# KiCad board data-center-rdimm-ddr5-tester.kicad_pcb (continued)
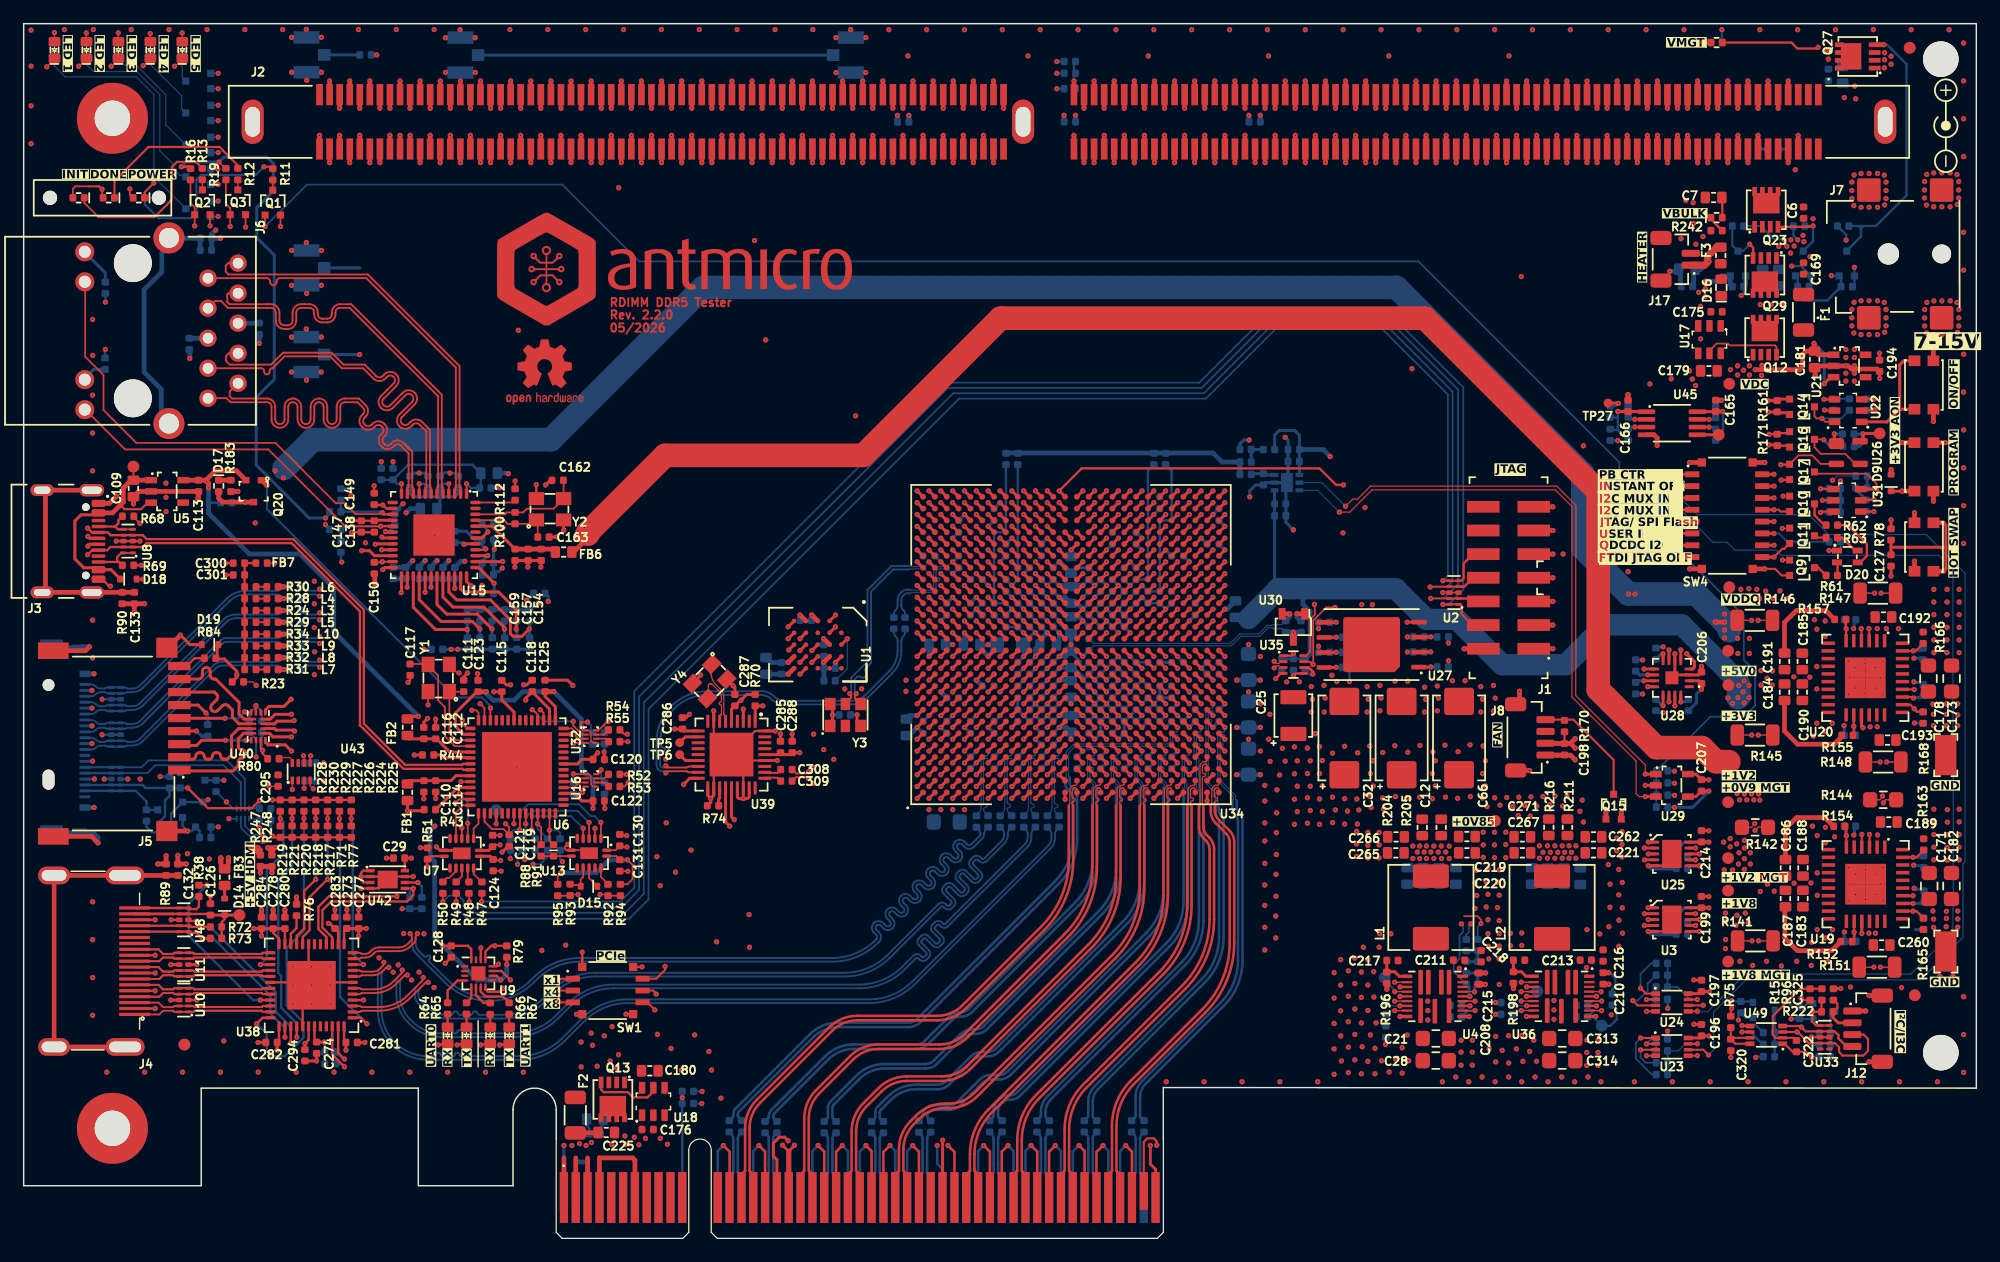
[diagram p0: board, top side]
## Footprints (pads in the part's own frame, mm; a bottom-side part is the same pattern mirrored in y, then rotated) (continued)
PinHeader_2x7_P2mm_SMD_Shrouded_no-locator
  rect 1x2.75 smd: 1(-6,-2.128) 2(-6,2.13) 3(-4,-2.128) 4(-4,2.13) 5(-2,-2.128) 6(-2,2.13) 7(0,-2.128) 8(0,2.13) 9(1.999,-2.128) 10(1.999,2.13) 11(3.999,-2.128) 12(3.999,2.13) 13(5.998,-2.128) 14(5.998,2.13)
QFN-2L_1.6x1x0.55mm
  rrect 0.8x1 smd: 1(-0.7,0) 2(0.7,0)
QFN-36-1EP_6x6mm_P0.5mm_EP3.7x3.7mm
  rect 1.1x0.26 smd: 1(-2.815,2) 2(-2.815,1.5) 3(-2.815,1) 4(-2.815,0.5) 5(-2.815,0) 6(-2.815,-0.5) 7(-2.815,-1) 8(-2.815,-1.5) 9(-2.815,-2) 19(2.815,-2) 20(2.815,-1.5) 21(2.815,-1) 22(2.815,-0.5) 23(2.815,0) 24(2.815,0.5) 25(2.815,1) 26(2.815,1.5) 27(2.815,2)
  rect 0.26x1.1 smd: 10(-2,-2.815) 11(-1.5,-2.815) 12(-1,-2.815) 13(-0.5,-2.815) 14(0,-2.815) 15(0.5,-2.815) 16(1,-2.815) 17(1.5,-2.815) 18(2,-2.815) 28(2,2.815) 29(1.5,2.815) 30(1,2.815) 31(0.5,2.815) 32(0,2.815) 33(-0.5,2.815) 34(-1,2.815) 35(-1.5,2.815) 36(-2,2.815)
  rect 3.7x3.7 smd: 37(0,0)
QFN-48-1EP_7x7x0.9mm_P0.5mm_EP3.5x3.5mm
  oval 0.9x0.3 smd: 1(-3.5,2.75) 2(-3.5,2.25) 3(-3.5,1.75) 4(-3.5,1.25) 5(-3.5,0.75) 6(-3.5,0.25) 7(-3.5,-0.248) 8(-3.5,-0.748) 9(-3.5,-1.249) 10(-3.5,-1.749) 11(-3.5,-2.249) 12(-3.5,-2.749) 25(3.499,-2.749) 26(3.499,-2.249) 27(3.499,-1.749) 28(3.499,-1.249) 29(3.499,-0.748) 30(3.499,-0.248) 31(3.499,0.25) 32(3.499,0.75) 33(3.499,1.25) 34(3.499,1.75) 35(3.499,2.25) 36(3.499,2.75)
  oval 0.3x0.9 smd: 13(-2.75,-3.499) 14(-2.25,-3.499) 15(-1.75,-3.499) 16(-1.25,-3.499) 17(-0.75,-3.499) 18(-0.25,-3.499) 19(0.248,-3.499) 20(0.748,-3.499) 21(1.249,-3.499) 22(1.749,-3.499) 23(2.249,-3.499) 24(2.749,-3.499) 37(2.749,3.5) 38(2.249,3.5) 39(1.749,3.5) 40(1.249,3.5) 41(0.748,3.5) 42(0.248,3.5) 43(-0.25,3.5) 44(-0.75,3.5) 45(-1.25,3.5) 46(-1.75,3.5) 47(-2.25,3.5) 48(-2.75,3.5)
  rect 3.5x3.5 smd: 49(0,0)
QFN-56-1EP_8x8mm_P0.5mm
  rrect 1.13x1.13 smd: (-2.101,2.101) (-2.101,0.7) (-2.101,-0.699) (-2.101,-2.1) (-0.7,2.101) (-0.7,0.7) (-0.7,-0.699) (-0.7,-2.1) (0.699,2.101) (0.699,0.7) (0.699,-0.699) (0.699,-2.1) (2.1,2.101) (2.1,0.7) (2.1,-0.699) (2.1,-2.1)
  rrect 0.875x0.3 smd: 1(-3.938,3.25) 2(-3.938,2.75) 3(-3.938,2.25) 4(-3.938,1.75) 5(-3.938,1.25) 6(-3.938,0.75) 7(-3.938,0.25) 8(-3.938,-0.249) 9(-3.938,-0.749) 10(-3.938,-1.249) 11(-3.938,-1.749) 12(-3.938,-2.249) 13(-3.938,-2.749) 14(-3.938,-3.249) 29(3.937,-3.249) 30(3.937,-2.749) 31(3.937,-2.249) 32(3.937,-1.749) 33(3.937,-1.249) 34(3.937,-0.749) 35(3.937,-0.249) 36(3.937,0.25) 37(3.937,0.75) 38(3.937,1.25) 39(3.937,1.75) 40(3.937,2.25) 41(3.937,2.75) 42(3.937,3.25)
  rrect 0.3x0.875 smd: 15(-3.25,-3.937) 16(-2.75,-3.937) 17(-2.25,-3.937) 18(-1.75,-3.937) 19(-1.25,-3.937) 20(-0.75,-3.937) 21(-0.25,-3.937) 22(0.249,-3.937) 23(0.749,-3.937) 24(1.249,-3.937) 25(1.749,-3.937) 26(2.249,-3.937) 27(2.749,-3.937) 28(3.249,-3.937) 43(3.249,3.938) 44(2.749,3.938) 45(2.249,3.938) 46(1.749,3.938) 47(1.249,3.938) 48(0.749,3.938) 49(0.249,3.938) 50(-0.25,3.938) 51(-0.75,3.938) 52(-1.25,3.938) 53(-1.75,3.938) 54(-2.25,3.938) 55(-2.75,3.938) 56(-3.25,3.938)
  rect 5.9x5.9 smd: 57(0,0)
R_0402_1005Metric
  rrect 0.59x0.64 smd: 1(-0.48,0) 2(0.48,0)
R_0402_1005Metric_EIA
  rrect 0.6x0.6 smd: 1(-0.5,0) 2(0.499,0)
R_0603_1608Metric
  rrect 0.8x1 smd: 1(-0.7,0) 2(0.7,0)
R_0805_2012Metric
  rrect 1.2x1.3 smd: 1(-1.1,0) 2(1.1,0)
R_1206_3216Metric
  rrect 1.15x1.8 smd: 1(-1.5,-0.001) 2(1.5,-0.001)
Resonator_SMD_Abracon_ABM8G_3.2x2.5mm
  rrect 1.3x1.1 smd: 1(-1.101,-0.949)
  rect 1.3x1.1 smd: 2(1.199,-0.949) 3(1.199,0.85) 4(-1.101,0.85)
RJ45_ARJM11B1-502-AB-EW2_Horizontal
  round 3.2 hole 3.25 unplated: (0,-8.89) (11.43,-8.89)
  round 1.458 hole 0.9: 1(0,0) 2(1.27,-2.54) 3(2.54,0) 4(3.81,-2.54) 5(5.08,0) 6(6.35,-2.54) 7(7.62,0) 8(8.89,-2.54) 9(10.16,0) 10(11.43,-2.54)
  round 1.605 hole 1.02: 11(-0.96,-12.95) 12(1.58,-12.95) 13(9.85,-12.95) 14(12.39,-12.95)
  round 2.625 hole 1.7: SH(-2.135,-5.84) SH(13.565,-5.84)
SC70-3
  rect 0.6x0.6 smd: 1(-1.051,0.65) 2(-1.051,-0.65) 3(1.05,0)
SOD-523
  rrect 0.5x0.6 smd: 1(-0.701,0) 2(0.699,0)
SOT1161-2
  rrect 0.9x0.22 smd: 1(-0.6,0.6) 2(-0.625,0.202) 3(-0.625,-0.2) 4(-0.625,-0.598) 9(0.623,-0.598) 10(0.623,-0.2) 11(0.623,0.202) 12(0.623,0.6)
  rrect 0.22x0.55 smd: 5(-0.6,-1.175) 6(-0.202,-1.175) 7(0.2,-1.175) 8(0.598,-1.175) 13(0.598,1.176) 14(0.2,1.176) 15(-0.202,1.176) 16(-0.6,1.176)
SOT-23-3
  rrect 1x0.6 smd: 1(-1.1,0.951) 2(-1.1,-0.949) 3(1.1,0.001)
SOT-23-5
  rect 1x0.55 smd: 1(-1.351,0.951) 2(-1.351,0) 3(-1.351,-0.949) 4(1.35,-0.949) 5(1.35,0.951)
SOT-23-6
  rrect 0.55x1 smd: 1(-0.954,-1.1) 2(-0.003,-1.1) 3(0.947,-1.1) 4(0.947,1.214) 5(-0.003,1.214) 6(-0.954,1.214)
SOT-143-4
  rrect 0.94x1.31 smd: 1(-0.76,-0.998)
  rrect 0.55x1.31 smd: 2(0.959,-0.998) 3(0.959,1) 4(-0.96,1)
SOT-323
  rect 0.55x0.6 smd: 1(-0.927,0.652) 2(-0.927,-0.65) 3(0.925,0)
SOT-583
  rrect 0.67x0.3 smd: 1(-0.739,0.75) 2(-0.739,0.251) 3(-0.739,-0.249) 4(-0.739,-0.75) 5(0.74,-0.75) 6(0.74,-0.249) 7(0.74,0.251) 8(0.74,0.75)
SW_DIP_SPSTx03_Slide_Copal_CVS-03xB_W5.9mm_P1mm
  rect 1.2x0.5 smd: 1(-2.899,1) 2(-2.899,0) 3(-2.899,-0.997) 4(2.999,-0.997) 5(2.999,0) 6(2.999,1)
  rect 0.7x0.7 smd: 7(-2.101,2) 7(-2.101,-1.999) 7(2.201,2) 7(2.201,-1.999)
SW_DIP_SPSTx08_Slide_Copal_CVS-08xB_W5.9mm_P1mm
  rect 1.2x0.5 smd: 1(-2.952,3.5) 2(-2.952,2.5) 3(-2.952,1.5) 4(-2.952,0.5) 5(-2.952,-0.498) 6(-2.952,-1.499) 7(-2.952,-2.499) 8(-2.952,-3.499) 9(2.95,-3.499) 10(2.95,-2.499) 11(2.95,-1.499) 12(2.95,-0.498) 13(2.95,0.5) 14(2.95,1.5) 15(2.95,2.5) 16(2.95,3.5)
  rect 0.7x0.7 smd: 17(-2.15,4.5) 17(-2.15,-4.498) 17(2.148,4.5) 17(2.148,-4.498)
SW_KMR211NGLFS_SMD
  rect 0.9x1 smd: 1(-2.048,0.8) 2(2.05,0.8) 3(-2.048,-0.802) 4(2.05,-0.802)
TP_1206_SMD_RCW-0C
  rect 3.4x1.8 smd: 1(0,0)
TP_SMD_0.75mm
  round 0.75 smd: 1(0,0)
TP_SMD_1mm
  round 1 smd: 1(0,0)
TQFN-25_4x5mm
  rrect 2.1x0.4 smd: 1(-1.2,1.195) 2(-1.2,0.545) 3(-1.2,-0.555) 4(-1.2,-1.205) 14(1.2,-1.205) 15(1.25,-0.005) 16(1.2,1.195)
  rrect 0.3x0.9 smd: 5(-1.7,-2.355) 13(1.7,-2.355) 17(1.7,2.345) 25(-1.7,2.345)
  rrect 0.2x0.9 smd: 6(-1.2,-2.355) 7(-0.8,-2.355) 8(-0.4,-2.355) 9(0,-2.355) 10(0.4,-2.355) 11(0.8,-2.355) 12(1.2,-2.355) 18(1.2,2.345) 19(0.8,2.345) 20(0.4,2.345) 21(0,2.345) 22(-0.4,2.345) 23(-0.8,2.345) 24(-1.2,2.345)
TSSOP-8_3x3mm_P0.65mm
  rrect 1.47x0.4 smd: 1(-2.148,0.962) 2(-2.148,0.313) 3(-2.148,-0.338) 4(-2.148,-0.987) 5(2.151,-0.987) 6(2.151,-0.338) 7(2.151,0.313) 8(2.151,0.962)
USB-C_Receptacle_GCT_USB4105-GF-A
  round 0.65 hole 0.65 unplated: (-2.891,2.426) (2.89,2.426)
  rrect 0.6x1.15 smd: A1(-3.202,3.5) A4(-2.4,3.5) A9(2.398,3.5) A12(3.2,3.5) B1(3.2,3.5) B4(2.398,3.5) B9(-2.4,3.5) B12(-3.202,3.5)
  rrect 0.3x1.15 smd: A5(-1.25,3.5) A6(-0.25,3.5) A7(0.248,3.5) A8(1.249,3.5) B5(1.749,3.5) B6(0.748,3.5) B7(-0.75,3.5) B8(-1.75,3.5)
  oval 1.05x2.1 hole 0.6x1.7: SH(-4.321,2.926) SH(4.32,2.926)
  oval 1x2 hole 0.6x1.4: SH(-4.321,-1.255) SH(4.32,-1.255)
USON-10_2.5x1mm_P0.5mm
  rrect 0.55x0.25 smd: 1(-0.387,1) 2(-0.387,0.5) 4(-0.387,-0.498) 5(-0.387,-0.998) 6(0.385,-0.998) 7(0.385,-0.498) 9(0.385,0.5) 10(0.385,1)
  rrect 0.55x0.4 smd: 3(-0.387,0) 8(0.385,0)
Vishay_PowerPAK_1212-8_Single
  rect 0.99x0.405 smd: 1(-1.436,0.99) 2(-1.436,0.332) 3(-1.436,-0.33) 4(-1.436,-0.988)
  custom 2.235x2.39 smd: 5(0.557,0)
VQFN-16-1EP_3x3mm_P0.5mm_EP1.1x1.1mm
  rrect 0.89x0.89 smd: (0,0)
  rrect 0.775x0.25 smd: 1(-1.464,0.75) 2(-1.464,0.25) 3(-1.464,-0.247) 4(-1.464,-0.747) 9(1.461,-0.747) 10(1.461,-0.247) 11(1.461,0.25) 12(1.461,0.75)
  rrect 0.25x0.775 smd: 5(-0.75,-1.461) 6(-0.25,-1.461) 7(0.247,-1.461) 8(0.747,-1.461) 13(0.747,1.464) 14(0.247,1.464) 15(-0.25,1.464) 16(-0.75,1.464)
  rect 1.1x1.1 smd: 17(0,0)
VQFN-48_7x7mm_P0.5mm_EP4.1x4.1mm
  rrect 0.85x0.28 smd: 1(-3.475,2.75) 2(-3.475,2.25) 3(-3.475,1.75) 4(-3.475,1.25) 5(-3.475,0.75) 6(-3.475,0.25) 7(-3.475,-0.25) 8(-3.475,-0.75) 9(-3.475,-1.25) 10(-3.475,-1.75) 11(-3.475,-2.25) 12(-3.475,-2.75) 25(3.475,-2.75) 26(3.475,-2.25) 27(3.475,-1.75) 28(3.475,-1.25) 29(3.475,-0.75) 30(3.475,-0.25) 31(3.475,0.25) 32(3.475,0.75) 33(3.475,1.25) 34(3.475,1.75) 35(3.475,2.25) 36(3.475,2.75)
  rrect 0.28x0.85 smd: 13(-2.75,-3.475) 14(-2.25,-3.475) 15(-1.75,-3.475) 16(-1.25,-3.475) 17(-0.75,-3.475) 18(-0.25,-3.475) 19(0.25,-3.475) 20(0.75,-3.475) 21(1.25,-3.475) 22(1.75,-3.475) 23(2.25,-3.475) 24(2.75,-3.475) 37(2.75,3.475) 38(2.25,3.475) 39(1.75,3.475) 40(1.25,3.475) 41(0.75,3.475) 42(0.25,3.475) 43(-0.25,3.475) 44(-0.75,3.475) 45(-1.25,3.475) 46(-1.75,3.475) 47(-2.25,3.475) 48(-2.75,3.475)
  rrect 4.1x4.1 smd: 49(0,0)
VSSOP-8_2.3x2mm_P0.5mm
  rect 0.75x0.4 smd: 1(-1.372,0.742) 4(-1.372,-0.757) 5(1.377,-0.757) 8(1.377,0.742)
  rect 0.75x0.3 smd: 2(-1.372,0.244) 3(-1.372,-0.256) 6(1.377,-0.256) 7(1.377,0.244)
WSON-8_2x2mm
  rect 0.8x0.25 smd: 1(-0.8,0.75)
  rect 0.7x0.25 smd: 2(-0.85,0.25) 3(-0.85,-0.25) 4(-0.85,-0.75) 5(0.85,-0.75) 6(0.85,-0.25) 7(0.85,0.25) 8(0.85,0.75)
WSON-8_6x8x0.5mm_P1.27mm
  rrect 1.3x0.4 smd: 1(-3.999,1.905) 2(-3.999,0.635) 3(-3.999,-0.634) 4(-3.999,-1.905) 5(3.999,-1.875) 6(3.999,-0.604) 7(3.999,0.665) 8(3.999,1.935)
  rrect 4.8x4.65 smd: 9(-0.001,0.001)
X1QFN-16-1EP_2.5x2.5mm
  rrect 0.6x0.2 smd: 1(-1.151,0.6) 2(-1.151,0.203) 3(-1.151,-0.2) 4(-1.151,-0.597) 9(1.148,-0.597) 10(1.148,-0.2) 11(1.148,0.203) 12(1.148,0.6)
  rrect 0.2x0.6 smd: 5(-0.6,-1.148) 6(-0.203,-1.148) 7(0.2,-1.148) 8(0.597,-1.148) 13(0.597,1.151) 14(0.2,1.151) 15(-0.203,1.151) 16(-0.6,1.151)
  rrect 1.2x1.2 smd: 17(0,0)
X2SON8_1.4x1x0.32mm_P0.35mm
  rect 0.5x0.17 smd: 1(-0.43,0.526) 2(-0.43,0.175) 3(-0.43,-0.175) 4(-0.43,-0.526) 5(0.43,-0.526) 6(0.43,-0.175) 7(0.43,0.175) 8(0.43,0.526)

## Nets
+0V9_MGTAVCC: C63.1 C98.2 C99.2 C100.2 C101.2 C102.1 C168.2 NT11.2 R144.2 TP15.1 U34.AA7 U34.AC7 U34.J7 U34.L7 U34.N7 U34.W7
+0V85: C12.1 C13.2 C19.2 C25.1 C26.2 C32.1 C33.2 C34.2 C35.2 C36.2 C38.2 C39.2 C40.2 C41.2 C42.2 C43.2 C45.2 C46.2 C47.2 C48.2 C50.2 C51.2 C52.2 C53.2 C54.2 C55.2 C56.2 C57.2 C58.2 C59.2 C61.2 C62.1 C64.2 C65.2 C66.1 C67.2 C75.2 C79.2 C84.2 C86.2 C88.2 C90.2 C92.2 C239.1 C240.2 C241.2 C242.2 C243.2 C246.2 C247.2 C248.2 R37.1 R204.2 R205.2 R211.2 R216.2 TP17.1 TP24.2 U34.K11 U34.K13 U34.K15 U34.K17 U34.L9 U34.L10 U34.L12 U34.L14 U34.L16 U34.M9 U34.M11 U34.M13 U34.M15 U34.M17 U34.N9 U34.N10 U34.N12 U34.N16 U34.P9 U34.P11 U34.P15 U34.P17 U34.R9 U34.R10 U34.R12 U34.R16 U34.T9 U34.T11 U34.T15 U34.T17 U34.U9 U34.U10 U34.U12 U34.U14 U34.U16 U34.V9 U34.V11 U34.V13 U34.V15 U34.V17
+1V2: C139.1 C142.1 C145.1 C148.1 C149.1 C150.1 C151.1 C153.1 C156.1 FB4.1 FB6.1 NT16.2 R148.2 R248.2 TP11.1 U15.14 U15.18 U15.23 U15.26 U15.30 U15.39
+1V2_MGTAVTT: C14.1 C70.2 C72.1 C80.2 C83.2 C103.1 C104.2 C105.2 C106.2 C107.2 C108.2 C167.2 C310.2 C311.2 C312.2 NT10.2 R36.2 R142.2 TP14.1 U34.A7 U34.AB5 U34.AD8 U34.AE7 U34.C7 U34.E7 U34.F5 U34.G7 U34.H5 U34.K5 U34.M5 U34.P5 U34.T5 U34.V5 U34.Y5
+1V8: C1.1 C2.1 C3.1 C4.1 C5.1 C11.1 C15.2 C18.2 C27.2 C30.2 C68.2 C73.1 C76.2 C77.2 C81.2 C85.1 C87.2 C89.2 C91.2 C124.2 C134.1 C138.1 C141.1 C144.1 C147.1 C160.2 C161.2 C204.2 C296.2 C298.2 J1.2 NT9.2 R1.1 R2.1 R3.1 R4.1 R5.1 R14.2 R15.2 R16.1 R17.2 R18.1 R19.1 R21.1 R23.2 R51.2 R80.2 R101.2 R102.2 R103.2 R104.2 R105.2 R106.2 R107.2 R108.2 R109.2 R110.2 R111.2 R127.2 R141.2 TP8.1 U1.B4 U1.D1 U1.E4 U7.14 U15.16 U15.34 U15.40 U27.8 U30.1 U34.AA11 U34.AD12 U34.C20 U34.D17 U34.G18 U34.M18 U34.N14 U34.N18 U34.P18 U34.R18 U34.T18 U34.Y9 U40.15 U43.3
+1V8_MGTVCCAUX: C31.1 C96.2 C97.1 NT12.2 R151.2 TP18.1 U34.R7 U34.U7
+3V3: C16.2 C17.2 C22.1 C23.2 C29.1 C82.1 C94.1 C95.2 C129.1 C164.2 C165.1 C223.2 C236.2 C238.2 C273.1 C274.1 C277.2 C285.1 C286.1 C287.1 C288.2 C297.2 C328.2 C329.2 D1.2 D2.2 D3.2 D4.1 D5.1 D6.1 D7.1 D8.1 D20.1 FB5.1 FB7.1 J5.4 NT13.2 Q22.2 Q27.1 Q27.2 Q27.3 R20.1 R25.2 R39.1 R70.2 R75.2 R78.1 R86.2 R87.2 R96.2 R98.2 R99.2 R122.1 R123.1 R145.2 R150.1 R159.1 R191.2 R222.2 R223.2 R224.2 R225.2 R226.2 R227.2 R228.2 R229.2 R230.2 R234.2 R236.2 R237.2 R239.2 R244.2 TP12.1 U12.4 U16.8 U32.8 U33.1 U33.10 U34.AC15 U34.E9 U34.E14 U34.H10 U34.H15 U34.Y14 U35.1 U38.13 U38.43 U39.5 U39.10 U39.32 U42.8 U43.5 U43.6 U44.1 U44.5 U45.8 Y3.1 Y3.6
+3V3_AON: C131.2 C194.2 C195.2 C196.2 C197.2 C199.1 C203.1 C206.1 C207.1 C212.2 C214.1 R94.1 R95.1 R135.2 R139.2 R140.2 R143.2 R172.2 R173.2 R184.2 R187.2 R190.2 R210.2 TP19.1 U3.10 U13.14 U21.5 U22.3 U23.8 U24.8 U25.10 U26.4 U28.2 U29.4 U31.1
+5V: C198.2 FB3.1 J8.2 NT14.2 R146.2 R170.2 TP13.1
+12V: C170.2 C224.2 C225.2 F2.1 J10.A2 J10.A3 J10.B1 J10.B2 J10.B3
/DDR5 RDIMM/VIN_BULK: C6.2 C7.2 D21.2 J2.1 J2.145 J2.146 Q23.5
/DDR5 RDIMM/VIN_MGMT: C317.2 C319.2 D22.2 J2.3 Q27.5
/DDR5 RDIMM/VSS_DET1: J2.75 R25.1 R26.2 R27.1
/Debug FTDI + VNA/VBUS: C109.2 D18.1 J3.A4 J3.A9 J3.B4 J3.B9 TP22.1 U5.1 U5.3
/Ethernet/AVDDH: C152.1 C155.1 C158.1 FB5.2 U15.1 U15.12
/Ethernet/AVDDL: C136.1 C140.1 C143.1 C146.1 FB4.2 U15.4 U15.9
/Ethernet/AVDDL_PLL: C154.2 C157.2 C159.2 FB6.2 U15.44
/HDMI + SD Card/VCCB: C295.2 C299.2 U40.14 U43.2 U43.7
/Supply/12V_aux: C169.2 F1.1 J7.1
/Supply/12V_aux_fused: C175.2 D16.1 F1.2 Q12.5 U17.1
/Supply/12V_PCIE_fused: C176.2 F2.2 Q13.5 U18.1
/Supply/DC-DC AUX, MGT/1V8_local: C183.2 C187.2 NT1.2 R141.1 R152.2 U19.14 U19.15
/Supply/DC-DC AUX, MGT/1V8_SEN_+: NT1.1 U3.1
/Supply/DC-DC AUX, MGT/1V8_SEN_-: NT9.1 U3.2
/Supply/DC-DC IO/1V2_local: C193.2 NT8.2 R148.1 R168.2 U20.22 U20.23
/Supply/DC-DC IO/1V2_SEN_+: NT8.1 R214.2
/Supply/DC-DC IO/1V2_SEN_-: NT16.1 U28.9
/Supply/DC-DC IO/3V3_local: C184.2 C190.2 NT5.2 R145.1 R155.2 U20.14 U20.15
/Supply/DC-DC IO/3V3_SEN_+: NT5.1 R209.2
/Supply/DC-DC IO/3V3_SEN_-: NT13.1 U28.12
/Supply/DC-DC IO/5V_local: C185.2 C191.2 NT6.2 R146.1 R157.2 U20.8 U20.9
/Supply/DC-DC IO/5V_SEN_+: NT6.1 R212.2
/Supply/DC-DC IO/5V_SEN_-: NT14.1 U28.14
/Supply/DC-DC IO/VDDQ_local: C192.2 NT7.2 R147.1 R166.2 U20.1 U20.32
/Supply/DC-DC IO/VDDQ_SEN_+: NT7.1 R213.2
/Supply/DC-DC IO/VDDQ_SEN_-: NT15.1 U28.7
/Supply/DC-DC VCCINT/0V85_REG0: C219.2 C220.2 C259.2 C261.2 C265.2 C266.2 C269.2 C270.2 L1.2 R203.2 R204.1 R205.1
/Supply/DC-DC VCCINT/0V85_REG1: C221.2 C249.2 C262.2 C263.2 C267.2 C268.2 C271.2 C272.2 L2.2 R211.1 R216.1
GND: C1.2 C2.2 C3.2 C4.2 C5.2 C6.1 C7.1 C8.1 C9.1 C10.1 C11.2 C12.2 C13.1 C14.2 C15.1 C16.1 C17.1 C18.1 C19.1 C20.1 C21.1 C22.2 C23.1 C24.1 C25.2 C26.1 C27.1 C28.1 C29.2 C30.1 C31.2 C32.2 C33.1 C34.1 C35.1 C36.1 C37.1 C38.1 C39.1 C40.1 C41.1 C42.1 C43.1 C44.2 C45.1 C46.1 C47.1 C48.1 C49.1 C50.1 C51.1 C52.1 C53.1 C54.1 C55.1 C56.1 C57.1 C58.1 C59.1 C60.1 C61.1 C62.2 C63.2 C64.1 C65.1 C66.2 C67.1 C68.1 C70.1 C71.1 C72.2 C73.2 C74.1 C75.1 C76.1 C77.1 C78.1 C79.1 C80.1 C81.1 C82.2 C83.1 C84.1 C85.2 C86.1 C87.1 C88.1 C89.1 C90.1 C91.1 C92.1 C93.2 C94.2 C95.1 C96.1 C97.2 C98.1 C99.1 C100.1 C101.1 C102.2 C103.2 C104.1 C105.1 C106.1 C107.1 C108.1 C109.1 C110.2 C111.2 C112.2 C113.1 C114.2 C115.2 C116.2 C117.2 C118.2 C119.2 C120.2 C121.1 C122.2 C123.2 C124.1 C125.2 C126.1 C127.2 C128.1 C129.2 C130.1 C131.1 C132.2 C133.2 C134.2 C135.1 C136.2 C137.1 C138.2 C139.2 C140.2 C141.2 C142.2 C143.2 C144.2 C145.2 C146.2 C147.2 C148.2 C149.2 C150.2 C151.2 C152.2 C153.2 C154.1 C155.2 C156.2 C157.1 C158.2 C159.1 C160.1 C161.1 C162.1 C163.1 C164.1 C165.2 C166.2 C167.1 C168.1 C169.1 C170.1 C171.1 C172.1 C173.1 C174.1 C175.1 C176.1 C177.1 C178.1 C179.1 C180.1 C181.2 C182.1 C183.1 C184.1 C185.1 C186.1 C187.1 C188.1 C189.1 C190.1 C191.1 C192.1 C193.1 C194.1 C195.1 C196.1 C197.1 C198.1 C199.2 C200.1 C201.1 C202.1 C203.2 C204.1 C205.1 C206.2 C207.2 C208.1 C209.1 C210.1 C211.1 C212.1 C213.1 C214.2 C217.1 C218.1 C219.1 C220.1 C221.1 C223.1 C224.1 C225.1 C234.2 C235.1 C236.1 C237.1 C238.1 C239.2 C240.1 C241.1 C242.1 C243.1 C246.1 C247.1 C248.1 C249.1 C259.1 C260.1 C261.1 C262.1 C263.1 C265.1 C266.1 C267.1 C268.1 C269.1 C270.1 C271.1 C272.1 C273.2 C274.2 C277.1 C278.2 C280.2 C281.2 C282.2 C283.2 C284.1 C285.2 C286.2 C287.2 C288.1 C294.2 C295.1 C296.1 C297.1 C298.1 C299.1 C300.1 C301.1 C310.1 C311.1 C312.1 C313.1 C314.1 C317.1 C318.1 C319.1 C320.2 C321.1 C322.2 C323.1 C324.1 C325.1 C326.1 C327.1 C328.1 C329.1 C330.1 C331.1 C332.1 C333.2 C334.2 C335.2 C336.2 D9.2 D10.1 D11.1 D12.1 D13.1 D16.2 D18.2 D19.2 J1.1 J1.3 J1.5 J1.7 J1.9 J1.11 J1.13 J2.6 J2.8 J2.10 J2.13 J2.15 J2.17 J2.19 J2.21 J2.24 J2.26 J2.28 J2.30 J2.32 J2.35 J2.37 J2.39 J2.41 J2.43 J2.46 J2.48 J2.50 J2.52 J2.54 J2.57 J2.59 J2.61 J2.63 J2.65 J2.67 J2.69 J2.71 J2.73 J2.77 J2.79 J2.81 J2.83 J2.85 J2.88 J2.90 J2.92 J2.95 J2.97 J2.99 J2.101 J2.103 J2.106 J2.108 J2.110 J2.112 J2.114 J2.117 J2.119 J2.121 J2.123 J2.125 J2.128 J2.130 J2.132 J2.134 J2.136 J2.139 J2.141 J2.143 J2.151 J2.153 J2.155 J2.158 J2.160 J2.162 J2.164 J2.166 J2.169 J2.171 J2.173 J2.175 J2.177 J2.180 J2.182 J2.184 J2.186 J2.188 J2.191 J2.193 J2.195 J2.197 J2.199 J2.202 J2.204 J2.206 J2.208 J2.210 J2.212 J2.214 J2.216 J2.219 J2.222 J2.224 J2.226 J2.228 J2.230 J2.233 J2.235 J2.237 J2.240 J2.242 J2.244 J2.246 J2.248 J2.251 J2.253 J2.255 J2.257 J2.259 J2.262 J2.264 J2.266 J2.268 J2.270 J2.273 J2.275 J2.277 J2.279 J2.281 J2.284 J2.286 J2.288 J2.S1 J2.S2 J2.S3 J3.A1 J3.A12 J3.B1 J3.B12 J4.2 J4.5 J4.8 J4.11 J4.17 J5.6 J5.SH J7.2 J7.3 J8.1 J8.MP J9.SH1 J9.SH2 J10.A4 J10.A12 J10.A15 J10.A18 J10.A20 J10.A23 J10.A24 J10.A27 J10.A28 J10.A31 J10.A34 J10.A37 J10.A38 J10.A41 J10.A42 J10.A45 J10.A46 J10.A49 J10.B4 J10.B7 J10.B13 J10.B16 J10.B18 J10.B21 J10.B22 J10.B25 J10.B26 J10.B29 J10.B32 J10.B35 J10.B36 J10.B39 J10.B40 J10.B43 J10.B44 J10.B47 J10.B49 J11.4 J11.10 J11.13 J11.16 J11.19 J11.SH J12.1 J12.MP J13.1 J13.SH1 J13.SH2 J14.SH1 J14.SH2 J15.SH1 J15.SH2 J16.SH1 J16.SH2 J17.2 J17.MP MP1.1 MP2.1 Q1.2 Q2.2 Q3.2 Q4.2 Q5.2 Q6.2 Q7.2 Q8.2 Q9.2 Q10.2 Q11.2 Q14.2 Q15.2 Q16.2 Q17.2 Q18.2 Q19.2 Q21.2 Q25.2 Q26.2 Q28.2 R10.2 R22.2 R26.1 R44.1 R68.1 R69.2 R71.1 R74.1 R76.1 R77.1 R83.1 R85.1 R89.1 R90.1 R112.1 R113.2 R114.2 R115.2 R116.2 R117.2 R118.2 R119.2 R120.2 R121.2 R128.1 R129.1 R130.1 R131.1 R132.1 R133.2 R134.2 R153.1 R156.1 R158.1 R161.1 R162.1 R164.1 R167.1 R169.1 R171.1 R180.2 R182.2 R183.2 R189.1 R192.1 R193.1 R194.2 R195.1 R197.1 R199.1 R207.1 R208.1 R215.1 R217.1 R218.1 R219.1 R220.1 R221.1 R233.1 R235.1 R240.1 R242.1 R245.1 R246.1 R250.1 R254.1 SW1.7 SW2.3 SW2.4 SW3.1 SW3.2 SW4.9 SW4.12 SW4.13 SW4.14 SW4.17 SW5.1 SW5.2 TP4.1 TP20.1 TP21.1 TP23.2 U1.B3 U1.C1 U1.E5 U2.3 U2.8 U3.5 U3.11 U4.4 U4.14 U4.15 U4.17 U4.23 U5.2 U6.10 U6.21 U6.41 U6.45 U6.57 U7.7 U7.15 U8.3 U8.8 U9.8 U10.3 U10.8 U11.3 U11.8 U12.5 U12.7 U13.3 U13.7 U13.15 U15.29 U15.49 U16.4 U17.2 U17.3 U18.2 U18.3 U19.2 U19.5 U19.7 U19.10 U19.13 U19.16 U19.17 U19.20 U19.21 U19.27 U19.30 U19.33 U20.2 U20.5 U20.7 U20.10 U20.13 U20.16 U20.17 U20.20 U20.21 U20.27 U20.30 U20.33 U21.2 U22.2 U23.4 U24.4 U25.5 U25.11 U26.1 U27.4 U28.3 U28.6 U28.17 U29.2 U29.5 U30.3 U31.2 U32.4 U33.3 U33.8 U34.A1 U34.A2 U34.A5 U34.A6 U34.A8 U34.A11 U34.A16 U34.A21 U34.A26 U34.AA1 U34.AA2 U34.AA3 U34.AA6 U34.AA8 U34.AA9 U34.AA16 U34.AA26 U34.AB3 U34.AB4 U34.AB8 U34.AB13 U34.AB23 U34.AC1 U34.AC2 U34.AC3 U34.AC6 U34.AC8 U34.AC9 U34.AC10 U34.AC20 U34.AC25 U34.AD3 U34.AD4 U34.AD5 U34.AD10 U34.AD17 U34.AE1 U34.AE2 U34.AE5 U34.AE6 U34.AE10 U34.AE14 U34.AE19 U34.AE24 U34.AF3 U34.AF4 U34.AF5 U34.AF8 U34.AF9 U34.AF10 U34.AF11 U34.AF16 U34.AF21 U34.AF26 U34.B3 U34.B4 U34.B5 U34.B8 U34.B13 U34.B18 U34.B23 U34.C1 U34.C2 U34.C5 U34.C6 U34.C8 U34.C10 U34.C15 U34.C25 U34.D3 U34.D4 U34.D5 U34.D8 U34.D12 U34.D22 U34.E1 U34.E2 U34.E3 U34.E6 U34.E8 U34.E19 U34.F3 U34.F4 U34.F8 U34.F11 U34.F16 U34.F21 U34.F26 U34.G1 U34.G2 U34.G3 U34.G6 U34.G8 U34.G13 U34.G23 U34.H3 U34.H4 U34.H8 U34.H20 U34.J1 U34.J2 U34.J3 U34.J6 U34.J8 U34.J17 U34.K3 U34.K4 U34.K8 U34.K12 U34.K14 U34.K16 U34.K19 U34.K24 U34.L1 U34.L2 U34.L3 U34.L6 U34.L8 U34.L11 U34.L13 U34.L15 U34.L17 U34.L21 U34.L26 U34.M3 U34.M4 U34.M8 U34.M10 U34.M12 U34.M14 U34.M16 U34.M23 U34.N1 U34.N2 U34.N3 U34.N6 U34.N8 U34.N11 U34.N13 U34.N15 U34.N17 U34.N20 U34.N25 U34.P3 U34.P4 U34.P8 U34.P10 U34.P12 U34.P14 U34.P16 U34.R1 U34.R2 U34.R3 U34.R6 U34.R8 U34.R11 U34.R13 U34.R15 U34.R17 U34.R19 U34.R24 U34.T3 U34.T4 U34.T8 U34.T10 U34.T12 U34.T16 U34.T21 U34.T26 U34.U1 U34.U2 U34.U3 U34.U6 U34.U8 U34.U11 U34.U13 U34.U15 U34.U17 U34.U18 U34.V3 U34.V4 U34.V8 U34.V10 U34.V12 U34.V14 U34.V16 U34.V20 U34.V25 U34.W1 U34.W2 U34.W3 U34.W6 U34.W8 U34.W11 U34.W17 U34.W22 U34.Y3 U34.Y4 U34.Y8 U34.Y19 U35.5 U36.4 U36.14 U36.15 U36.23 U37.3 U37.8 U38.7 U38.19 U38.30 U38.41 U38.49 U39.8 U39.19 U39.20 U39.24 U39.25 U39.26 U39.31 U39.36 U39.37 U40.7 U41.3 U41.8 U42.1 U42.2 U42.3 U42.4 U42.7 U42.9 U43.1 U44.4 U45.4 U47.3 U47.8 U48.3 U48.8 U49.1 Y1.2 Y1.4 Y2.2 Y2.4 Y3.3 Y4.2 Y4.4
VDDQ: C8.2 C9.2 C10.2 C20.2 C24.2 C37.2 C44.1 C49.2 C60.2 C71.2 C74.2 C78.2 C330.2 C331.2 NT15.2 R147.2 R247.2 R253.2 TP9.1 U12.1 U34.AA21 U34.AB18 U34.AD22 U34.E24 U34.H25 U34.J22 U34.P22 U34.U23 U34.Y24
VDDSPD: C166.1 R124.1 R125.1 R126.2 R127.1 U45.1
VIN_BULK_EN: Q25.1 R240.2 U34.AD15
VIN_MGMT_EN: Q26.1 R245.2 U34.AD14
/DDR5 RDIMM/A.CA0: J2.66 U34.W23
/DDR5 RDIMM/A.CA1: J2.211 U34.V23
/DDR5 RDIMM/A.CA2: J2.68 U34.AA24
/DDR5 RDIMM/A.CA3: J2.213 U34.AA25
/DDR5 RDIMM/A.CA4: J2.70 U34.Y25
/DDR5 RDIMM/A.CA5: J2.215 U34.Y26
/DDR5 RDIMM/A.CA6: J2.72 U34.V24
/DDR5 RDIMM/A.CB0: J2.51 U34.U22
/DDR5 RDIMM/A.CB1: J2.53 U34.U21
/DDR5 RDIMM/A.CB2: J2.196 U34.T20
/DDR5 RDIMM/A.CB3: J2.198 U34.U20
/DDR5 RDIMM/A.CB4: J2.58 U34.T23
/DDR5 RDIMM/A.CB5: J2.60 U34.W20
/DDR5 RDIMM/A.CB6: J2.203 U34.T22
/DDR5 RDIMM/A.CB7: J2.205 U34.W19
/DDR5 RDIMM/A.CS0_c: J2.64 U34.Y22
/DDR5 RDIMM/A.CS1_c: J2.209 U34.Y23
/DDR5 RDIMM/A.DQ0: J2.7 U34.AA19
/DDR5 RDIMM/A.DQ1: J2.9 U34.AA20
/DDR5 RDIMM/A.DQ2: J2.152 U34.AB19
/DDR5 RDIMM/A.DQ3: J2.154 U34.AB20
/DDR5 RDIMM/A.DQ4: J2.14 U34.AA18
/DDR5 RDIMM/A.DQ5: J2.16 U34.Y18
/DDR5 RDIMM/A.DQ6: J2.159 U34.AA17
/DDR5 RDIMM/A.DQ7: J2.161 U34.Y17
/DDR5 RDIMM/A.DQ8: J2.18 U34.AF18
/DDR5 RDIMM/A.DQ9: J2.20 U34.AF19
/DDR5 RDIMM/A.DQ10: J2.163 U34.AC19
/DDR5 RDIMM/A.DQ11: J2.165 U34.AD19
/DDR5 RDIMM/A.DQ12: J2.25 U34.AE16
/DDR5 RDIMM/A.DQ13: J2.27 U34.AD16
/DDR5 RDIMM/A.DQ14: J2.170 U34.AF17
/DDR5 RDIMM/A.DQ15: J2.172 U34.AE17
/DDR5 RDIMM/A.DQ16: J2.29 U34.AD23
/DDR5 RDIMM/A.DQ17: J2.31 U34.AE23
/DDR5 RDIMM/A.DQ18: J2.174 U34.AC22
/DDR5 RDIMM/A.DQ19: J2.176 U34.AC23
/DDR5 RDIMM/A.DQ20: J2.36 U34.AD21
/DDR5 RDIMM/A.DQ21: J2.38 U34.AE21
/DDR5 RDIMM/A.DQ22: J2.181 U34.AB21
/DDR5 RDIMM/A.DQ23: J2.183 U34.AC21
/DDR5 RDIMM/A.DQ24: J2.40 U34.AB25
/DDR5 RDIMM/A.DQ25: J2.42 U34.AF24
/DDR5 RDIMM/A.DQ26: J2.185 U34.AB26
/DDR5 RDIMM/A.DQ27: J2.187 U34.AF25
/DDR5 RDIMM/A.DQ28: J2.47 U34.AD24
/DDR5 RDIMM/A.DQ29: J2.49 U34.AC24
/DDR5 RDIMM/A.DQ30: J2.192 U34.AD25
/DDR5 RDIMM/A.DQ31: J2.194 U34.AB24
/DDR5 RDIMM/A.DQS0_N: J2.12 U34.Y21
/DDR5 RDIMM/A.DQS0_P: J2.11 U34.Y20
/DDR5 RDIMM/A.DQS1_N: J2.23 U34.AE20
/DDR5 RDIMM/A.DQS1_P: J2.22 U34.AD20
/DDR5 RDIMM/A.DQS2_N: J2.34 U34.AF22
/DDR5 RDIMM/A.DQS2_P: J2.33 U34.AE22
/DDR5 RDIMM/A.DQS3_N: J2.45 U34.AE26
/DDR5 RDIMM/A.DQS3_P: J2.44 U34.AE25
/DDR5 RDIMM/A.DQS4_N: J2.56 U34.V19
/DDR5 RDIMM/A.DQS4_P: J2.55 U34.U19
/DDR5 RDIMM/A.DQS5_N: J2.156 U34.AC17
/DDR5 RDIMM/A.DQS5_P: J2.157 U34.AB17
/DDR5 RDIMM/A.DQS6_N: J2.167 U34.AD18
/DDR5 RDIMM/A.DQS6_P: J2.168 U34.AC18
/DDR5 RDIMM/A.DQS7_N: J2.178 U34.AB22
/DDR5 RDIMM/A.DQS7_P: J2.179 U34.AA22
/DDR5 RDIMM/A.DQS8_N: J2.189 U34.AD26
/DDR5 RDIMM/A.DQS8_P: J2.190 U34.AC26
/DDR5 RDIMM/A.DQS9_N: J2.200 U34.V22
/DDR5 RDIMM/A.DQS9_P: J2.201 U34.V21
/DDR5 RDIMM/A.PAR: J2.74 U34.W24
/DDR5 RDIMM/B.CA0: J2.76 U34.U25
/DDR5 RDIMM/B.CA1: J2.78 U34.R25
/DDR5 RDIMM/B.CA2: J2.221 U34.T25
/DDR5 RDIMM/B.CA3: J2.223 U34.P26
/DDR5 RDIMM/B.CA4: J2.80 U34.P25
/DDR5 RDIMM/B.CA5: J2.225 U34.P24
/DDR5 RDIMM/B.CA6: J2.82 U34.N24
/DDR5 RDIMM/B.CB0: J2.96 U34.P19
/DDR5 RDIMM/B.CB1: J2.98 U34.N21
/DDR5 RDIMM/B.CB2: J2.241 U34.N22
/DDR5 RDIMM/B.CB3: J2.243 U34.N19
/DDR5 RDIMM/B.CB4: J2.89 U34.P20
/DDR5 RDIMM/B.CB5: J2.91 U34.R21
/DDR5 RDIMM/B.CB6: J2.234 U34.R20
/DDR5 RDIMM/B.CB7: J2.236 U34.P21
/DDR5 RDIMM/B.CS0_c: J2.84 U34.T24
/DDR5 RDIMM/B.CS1_c: J2.229 U34.U24
/DDR5 RDIMM/B.DQ0: J2.100 U34.M21
/DDR5 RDIMM/B.DQ1: J2.102 U34.M20
/DDR5 RDIMM/B.DQ2: J2.245 U34.J19
/DDR5 RDIMM/B.DQ3: J2.247 U34.J20
/DDR5 RDIMM/B.DQ4: J2.107 U34.K21
/DDR5 RDIMM/B.DQ5: J2.109 U34.K20
/DDR5 RDIMM/B.DQ6: J2.252 U34.L20
/DDR5 RDIMM/B.DQ7: J2.254 U34.J21
/DDR5 RDIMM/B.DQ8: J2.111 U34.M26
/DDR5 RDIMM/B.DQ9: J2.113 U34.M25
/DDR5 RDIMM/B.DQ10: J2.256 U34.K26
/DDR5 RDIMM/B.DQ11: J2.258 U34.K25
/DDR5 RDIMM/B.DQ12: J2.118 U34.J24
/DDR5 RDIMM/B.DQ13: J2.120 U34.K23
/DDR5 RDIMM/B.DQ14: J2.263 U34.J23
/DDR5 RDIMM/B.DQ15: J2.265 U34.K22
/DDR5 RDIMM/B.DQ16: J2.122 U34.H23
/DDR5 RDIMM/B.DQ17: J2.124 U34.J25
/DDR5 RDIMM/B.DQ18: J2.267 U34.H24
/DDR5 RDIMM/B.DQ19: J2.269 U34.J26
/DDR5 RDIMM/B.DQ20: J2.129 U34.G26
/DDR5 RDIMM/B.DQ21: J2.131 U34.H22
/DDR5 RDIMM/B.DQ22: J2.274 U34.H26
/DDR5 RDIMM/B.DQ23: J2.276 U34.H21
/DDR5 RDIMM/B.DQ24: J2.133 U34.F23
/DDR5 RDIMM/B.DQ25: J2.135 U34.D24
/DDR5 RDIMM/B.DQ26: J2.278 U34.E23
/DDR5 RDIMM/B.DQ27: J2.280 U34.D25
/DDR5 RDIMM/B.DQ28: J2.140 U34.B26
/DDR5 RDIMM/B.DQ29: J2.142 U34.B25
/DDR5 RDIMM/B.DQ30: J2.285 U34.C26
/DDR5 RDIMM/B.DQ31: J2.287 U34.D26
/DDR5 RDIMM/B.DQS0_N: J2.105 U34.K18
/DDR5 RDIMM/B.DQS0_P: J2.104 U34.L18
/DDR5 RDIMM/B.DQS1_N: J2.116 U34.L23
/DDR5 RDIMM/B.DQS1_P: J2.115 U34.L22
/DDR5 RDIMM/B.DQS2_N: J2.127 U34.G25
/DDR5 RDIMM/B.DQS2_P: J2.126 U34.G24
/DDR5 RDIMM/B.DQS3_N: J2.138 U34.E26
/DDR5 RDIMM/B.DQS3_P: J2.137 U34.E25
/DDR5 RDIMM/B.DQS4_N: J2.238 U34.P23
/DDR5 RDIMM/B.DQS4_P: J2.239 U34.N23
/DDR5 RDIMM/B.DQS5_N: J2.249 U34.L19
/DDR5 RDIMM/B.DQS5_P: J2.250 U34.M19
/DDR5 RDIMM/B.DQS6_N: J2.260 U34.L25
/DDR5 RDIMM/B.DQS6_P: J2.261 U34.L24
/DDR5 RDIMM/B.DQS7_N: J2.271 U34.F25
/DDR5 RDIMM/B.DQS7_P: J2.272 U34.F24
/DDR5 RDIMM/B.DQS8_N: J2.282 U34.C24
/DDR5 RDIMM/B.DQS8_P: J2.283 U34.D23
/DDR5 RDIMM/B.DQS9_N: J2.94 U34.R23
/DDR5 RDIMM/B.DQS9_P: J2.93 U34.R22
/DDR5 RDIMM/B.PAR: J2.227 U34.R26
/DDR5 RDIMM/CTRL.CK_N: J2.218 U34.W26
/DDR5 RDIMM/CTRL.CK_P: J2.217 U34.W25
/DDR5 RDIMM/CTRL.DLBDQ: J2.86 U34.U26
/DDR5 RDIMM/CTRL.DLBDQS: J2.87 U34.V26
/DDR5 RDIMM/CTRL.PWR_GOOD: J2.147 U34.N26
/DDR5 RDIMM/CTRL.~{ALERT}: J2.62 U34.AA23
/DDR5 RDIMM/CTRL.~{RESET}: J2.207 U34.T19
/DDR5 RDIMM/DDR.SCL: J2.4 R125.2 U45.2
/DDR5 RDIMM/DDR.SDA: J2.5 R124.2 U45.3
/DDR5 RDIMM/HSA: J2.148 R128.2
/Debug FTDI + VNA/AUX.RST: R60.2 U34.D10
/Debug FTDI + VNA/AUX.TCK: R56.2 U34.C9
/Debug FTDI + VNA/AUX.TDI: R57.2 U34.B9